# KiCad board nodular-base.kicad_pcb (continued)
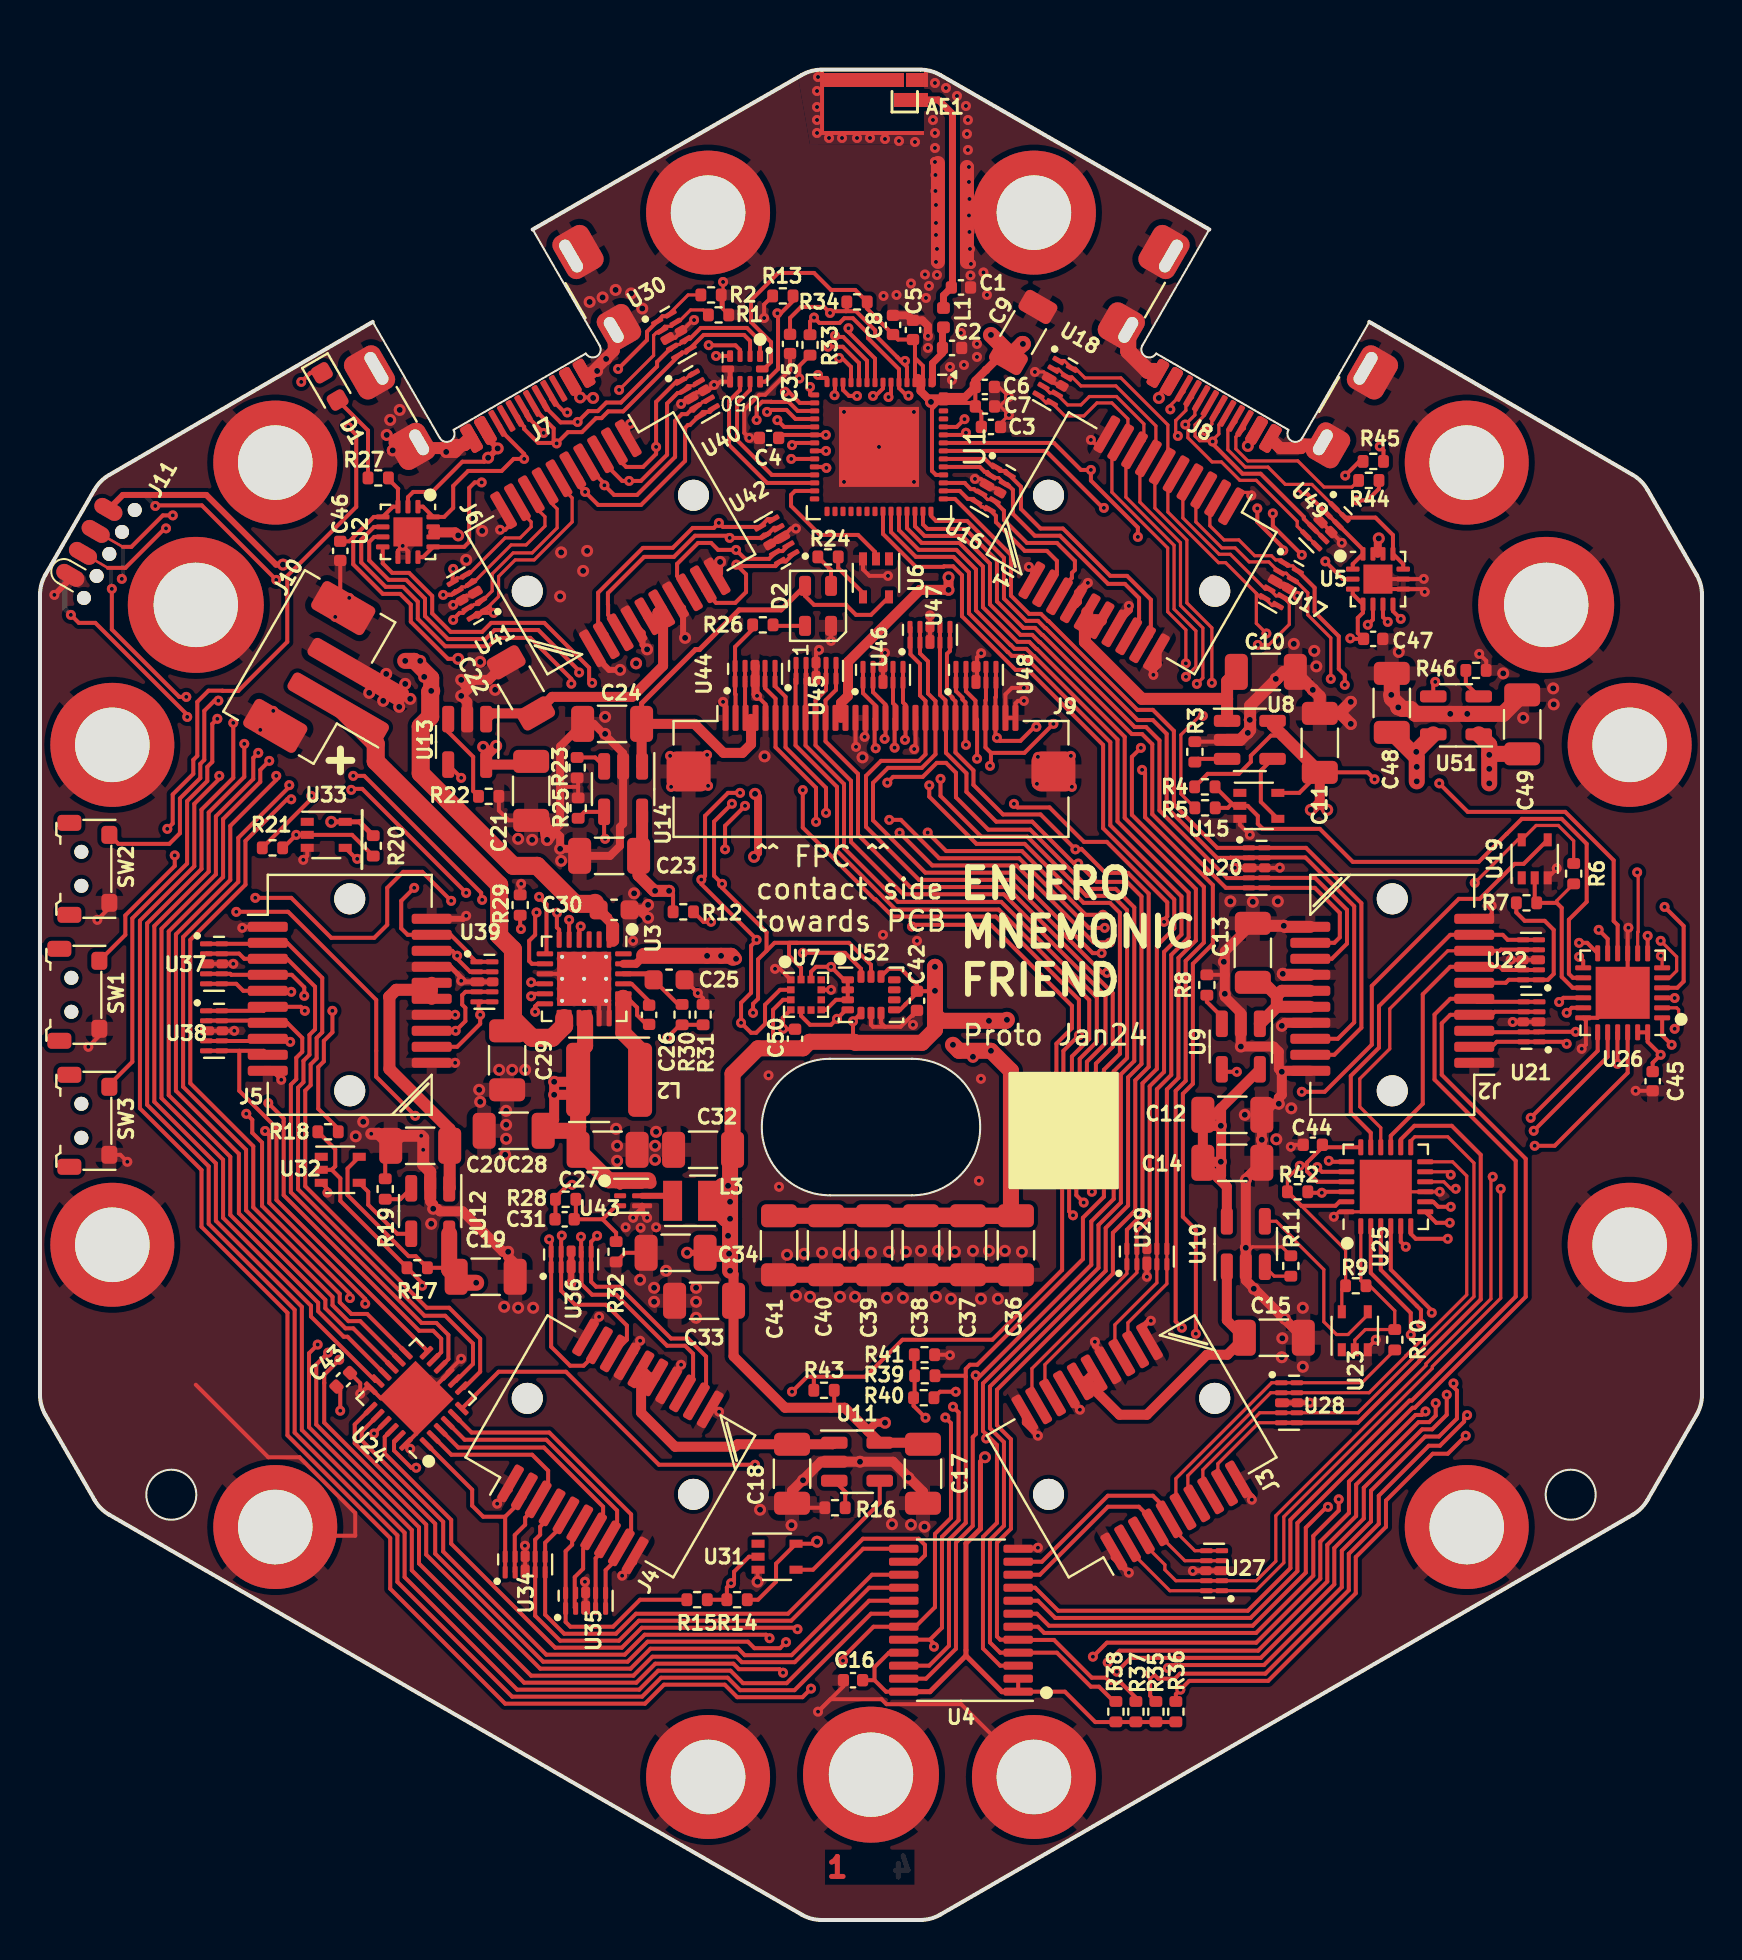
[diagram p0: board, top side]
## Footprints (pads in the part's own frame, mm; a bottom-side part is the same pattern mirrored in y, then rotated) (continued)
sidebutton-1TS003B-1400-3500A-CT
  rrect 0.8x1.2 smd: (-2.3,0.6) (2.3,0.6)
  round 0.7 hole 0.7 unplated: (-0.85,0) (0.85,0)
  rrect 0.9x0.8 smd: 1(-1.7,-1.4) 2(1.7,-1.4)
SMTSO2030CTJ
  oval 1.235x2.2 smd rot 150: (-2.1,1.212) (2.1,-1.212)
  oval 1.235x2.2 smd rot 30: (-2.1,-1.212) (2.1,1.212)
  oval 2.2x1.235 smd: (0,2.425) (0,-2.425)
  round 3.75 smd: (0,0)
  round 6.2 hole 3.73: 1(0,0)
SMTSO3030CTJ
  oval 1.4x2.5 smd rot 150: (-2.317,1.337) (2.317,-1.337)
  oval 1.4x2.5 smd rot 30: (-2.317,-1.337) (2.317,1.337)
  oval 2.5x1.4 smd: (0,2.675) (0,-2.675)
  round 3.75 smd: (0,0)
  round 6.8 hole 4.22: 1(0,0)
SOIC_clipProgSmall
  round 0.7 hole 0.7 unplated: (-2.54,1.905) (-1.27,1.905) (0,1.905) (1.27,1.905) (2.54,1.905)
  oval 0.8x1.5 smd: 1(1.905,0.75) 2(0.635,0.75) 3(-0.635,0.75) 4(-1.905,0.75)
  oval 0.8x1.5 smd far side: 5(-1.905,0.75) 6(-0.635,0.75) 7(0.635,0.75) 8(1.905,0.75)
SOT-23-5
  rrect 1.325x0.6 smd: 1(-1.137,0.95) 2(-1.137,0) 3(-1.137,-0.95) 4(1.137,-0.95) 5(1.137,0.95)
SOT-353_SC-70-5
  rect 0.65x0.4 smd: 1(-0.95,0.65) 2(-0.95,0) 3(-0.95,-0.65) 4(0.95,-0.65) 5(0.95,0.65)
Texas_PUQFN-10_RSE_1.5x2mm
  rrect 0.3x0.58 smd: 1(-0.75,-0.64) 4(0.75,-0.64) 6(0.75,0.64) 9(-0.75,0.64)
  rrect 0.25x0.58 smd: 2(-0.25,-0.64) 3(0.25,-0.64) 7(0.25,0.64) 8(-0.25,0.64)
  rrect 0.63x0.35 smd: 5(0.86,0) 10(-0.86,0)
Texas_S-PWQFN-N24_EP2.7x2.7mm_ThermalVias
  rrect 1.13x1.13 smd: (-0.675,0.675) (-0.675,-0.675) (0.675,0.675) (0.675,-0.675)
  rrect 0.825x0.25 smd: 1(-1.962,1.25) 2(-1.962,0.75) 3(-1.962,0.25) 4(-1.962,-0.25) 5(-1.962,-0.75) 6(-1.962,-1.25) 13(1.962,-1.25) 14(1.962,-0.75) 15(1.962,-0.25) 16(1.962,0.25) 17(1.962,0.75) 18(1.962,1.25)
  rrect 0.25x0.825 smd: 7(-1.25,-1.962) 8(-0.75,-1.962) 9(-0.25,-1.962) 10(0.25,-1.962) 11(0.75,-1.962) 12(1.25,-1.962) 19(1.25,1.962) 20(0.75,1.962) 21(0.25,1.962) 22(-0.25,1.962) 23(-0.75,1.962) 24(-1.25,1.962)
  round 0.5 hole 0.2: 25(-1.1,1.1) 25(-1.1,0) 25(-1.1,-1.1) 25(0,1.1) 25(0,0) 25(0,-1.1) 25(1.1,1.1) 25(1.1,0) 25(1.1,-1.1)
  rect 2.7x2.7 smd: 25(0,0)
  rect 2.7x2.7 smd far side: 25(0,0)
Texas_VSON-HR-6_1.5x1.5mm_P0.5mm
  rrect 0.6x0.25 smd: 1(-0.65,0.5) 2(-0.65,0) 3(-0.65,-0.5)
  rrect 1x0.25 smd: 4(0.45,-0.5) 5(0.45,0) 6(0.45,0.5)
TSSOP-24_4.4x7.8mm_P0.65mm
  rrect 1.475x0.4 smd: 1(-2.862,3.575) 2(-2.862,2.925) 3(-2.862,2.275) 4(-2.862,1.625) 5(-2.862,0.975) 6(-2.862,0.325) 7(-2.862,-0.325) 8(-2.862,-0.975) 9(-2.862,-1.625) 10(-2.862,-2.275) 11(-2.862,-2.925) 12(-2.862,-3.575) 13(2.862,-3.575) 14(2.862,-2.925) 15(2.862,-2.275) 16(2.862,-1.625) 17(2.862,-0.975) 18(2.862,-0.325) 19(2.862,0.325) 20(2.862,0.975) 21(2.862,1.625) 22(2.862,2.275) 23(2.862,2.925) 24(2.862,3.575)
USB_C_Receptacle_SHOUHAN_TYPE-C_16P_CB1.6_073
  oval 1.2x2.4 smd: (-5.63,-1.14) (5.62,-1.14)
  oval 1.2x2 smd: (-5.62,3.13) (5.62,3.13)
  rrect 0.6x1.45 smd: A1(-3.25,4.27) A4(-2.45,4.27) A9(2.45,4.27) A12(3.25,4.27) B1(3.25,4.27) B4(2.45,4.27) B9(-2.45,4.27) B12(-3.25,4.27)
  rrect 0.3x1.45 smd: A5(-1.25,4.27) A6(-0.25,4.27) A7(0.25,4.27) A8(1.25,4.27) B5(1.75,4.27) B6(0.75,4.27) B7(-0.75,4.27) B8(-1.75,4.27)
  rrect 1.8x2 hole 0.6x1.4: S1(-5.62,3.13)
  rrect 2x2.4 hole 0.6x1.8: S1(-5.62,-1.14) S1(5.62,-1.14)
  rrect 2x2 hole 0.6x1.4: S1(5.62,3.13)
USB_C_Receptacle_SHOUHAN_TYPE-C_16P_CB1.6_073#2
  oval 1.2x2.4 smd: (-5.63,-1.14) (5.62,-1.14)
  oval 1.2x2 smd: (-5.62,3.13) (5.62,3.13)
  rrect 0.6x1.45 smd: A1(-3.25,4.27) A4(-2.45,4.27) A9(2.45,4.27) A12(3.25,4.27) B1(3.25,4.27) B4(2.45,4.27) B9(-2.45,4.27) B12(-3.25,4.27)
  rrect 0.3x1.45 smd: A5(-1.25,4.27) A6(-0.25,4.27) A7(0.25,4.27) A8(1.25,4.27) B5(1.75,4.27) B6(0.75,4.27) B7(-0.75,4.27) B8(-1.75,4.27)
  rrect 1.8x2 hole 0.6x1.4: S1(-5.62,3.13)
  rrect 2x2.4 hole 0.6x1.8: S1(-5.62,-1.14) S1(5.62,-1.14)
  rrect 2x2 hole 0.6x1.4: S1(5.62,3.13)
WQFN-14-1EP_2.5x2.5mm_P0.5mm_EP1.45x1.45mm
  rrect 0.58x0.58 smd: (-0.36,0.36) (-0.36,-0.36) (0.36,0.36) (0.36,-0.36)
  rrect 0.675x0.25 smd: 1(-1.262,0.5) 2(-1.262,0) 3(-1.262,-0.5) 8(1.262,-0.5) 9(1.262,0) 10(1.262,0.5)
  rrect 0.25x0.675 smd: 4(-0.75,-1.262) 5(-0.25,-1.262) 6(0.25,-1.262) 7(0.75,-1.262) 11(0.75,1.262) 12(0.25,1.262) 13(-0.25,1.262) 14(-0.75,1.262)
  rect 1.45x1.45 smd: 15(0,0)

## Nets
3V3_SYS: C3.1 C4.1 C5.1 C6.1 C7.1 C8.1 C9.1 C11.1 C12.1 C14.1 C16.1 C17.1 C19.1 C21.1 C31.1 C32.1 C33.1 C34.1 C42.1 C43.1 C44.1 C45.1 C46.1 C47.1 C50.1 J9.12 J9.13 L3.2 R4.1 R6.1 R9.1 R14.1 R17.1 R20.1 R27.2 R28.2 R33.1 R34.1 R35.1 R36.1 R37.1 R38.1 R42.1 R43.1 U1.2 U1.3 U1.20 U1.46 U1.55 U1.56 U2.3 U2.4 U4.1 U4.2 U4.21 U4.24 U5.3 U5.4 U7.3 U7.7 U7.11 U8.5 U9.5 U10.5 U11.5 U12.5 U13.5 U15.5 U19.5 U23.5 U24.21 U24.23 U25.18 U25.21 U25.23 U26.21 U26.23 U26.24 U31.5 U32.5 U33.5 U50.10 U52.1 U52.2 U52.3 U52.5 U52.8 U52.12
/VBUS: C30.1 J7.A4 J7.A9 J7.B4 J7.B9 J11.4 U2.2 U3.1
/VBUS_SW: U26.10 U51.4
GND: AE1.2 C1.2 C2.2 C3.2 C4.2 C5.2 C6.2 C7.2 C8.2 C9.2 C10.2 C11.2 C12.2 C13.2 C14.2 C15.2 C16.2 C17.2 C18.2 C19.2 C20.2 C21.2 C22.2 C23.2 C24.2 C25.2 C27.2 C28.2 C29.2 C30.2 C32.2 C33.2 C34.2 C35.2 C36.2 C37.2 C38.2 C39.2 C40.2 C41.2 C42.2 C43.2 C44.2 C45.2 C46.2 C47.2 C48.2 C49.2 C50.2 D2.2 H1.1 H2.1 H3.1 H4.1 H5.1 H6.1 H7.1 H8.1 H9.1 H10.1 H11.1 H12.1 H14.1 H16.1 H18.1 J1.1 J1.10 J1.11 J1.14 J1.17 J1.20 J2.1 J2.10 J2.11 J2.14 J2.17 J2.20 J3.1 J3.10 J3.11 J3.14 J3.17 J3.20 J4.1 J4.10 J4.11 J4.14 J4.17 J4.20 J5.1 J5.10 J5.11 J5.14 J5.17 J5.20 J6.1 J6.10 J6.11 J6.14 J6.17 J6.20 J7.A1 J7.A12 J7.B1 J7.B12 J7.S1 J8.A1 J8.A12 J8.B1 J8.B12 J8.S1 J9.1 J9.5 J9.14 J9.15 J9.20 J9.29 J9.30 J9.MP J10.2 J10.MP J11.1 R1.2 R2.2 R3.2 R8.2 R11.2 R13.1 R16.2 R19.2 R22.2 R23.2 R25.2 R29.2 R31.1 R32.1 R41.1 R46.2 SW1.1 SW2.1 SW3.1 U1.57 U2.8 U2.9 U2.15 U3.9 U3.17 U3.18 U3.25 U4.12 U5.8 U5.9 U5.15 U6.3 U7.1 U7.4 U7.9 U8.2 U9.2 U10.2 U11.2 U12.2 U13.2 U14.2 U15.3 U16.3 U16.8 U17.3 U17.8 U18.3 U18.8 U19.3 U20.3 U20.8 U21.3 U21.8 U22.3 U22.8 U23.3 U24.9 U24.18 U24.24 U24.25 U25.9 U25.24 U25.25 U26.9 U26.18 U26.25 U27.3 U27.8 U28.3 U28.8 U29.3 U29.8 U30.3 U30.8 U31.3 U32.3 U33.3 U34.3 U34.8 U35.3 U35.8 U36.3 U36.8 U37.3 U37.8 U38.3 U38.8 U39.3 U39.8 U40.3 U40.8 U41.3 U41.8 U42.3 U42.8 U43.4 U44.3 U44.8 U45.3 U45.8 U46.3 U46.8 U47.3 U47.8 U48.3 U48.8 U49.3 U49.8 U50.5 U50.6 U51.2 U52.6 U52.7
/bot-top-link/LED_DATA_TOP: J9.2 R26.2 U44.1 U44.10
/bot-top-link/TOP_VBAT_SW: C24.1 D2.4 J9.3 J9.4 U6.5 U14.1 U44.2 U44.9
/DEV_USB+: J7.A6 J7.B6 J11.2 U30.5 U30.6 U50.2
/DEV_USB-: J7.A7 J7.B7 J11.3 U30.4 U30.7 U50.1
/ESP_RXD: J9.28 J11.7 R44.1 U1.50 U48.5 U48.6
/ESP_TXD: J9.27 J11.8 R45.1 U1.49 U48.4 U48.7
/GPIO/ALS1: J1.2 U17.1 U17.10 U26.8
/GPIO/ALS2: J1.3 U17.2 U17.9 U26.1
/GPIO/ALS3: J1.7 U18.2 U18.9 U26.2
/GPIO/ALS4: J1.8 U18.4 U18.7 U26.3
/GPIO/ALS5: J1.9 U18.5 U18.6 U26.4
/GPIO/BLS1: J2.2 U21.1 U21.10 U26.5
/GPIO/BLS2: J2.3 U21.2 U21.9 U26.6
/GPIO/BLS3: J2.7 U22.2 U22.9 U25.15
/GPIO/BLS4: J2.8 U22.4 U22.7 U25.16
/GPIO/BLS5: J2.9 U22.5 U22.6 U25.17
/GPIO/BTN1: J9.6 U26.12 U44.4 U44.7
/GPIO/BTN2: J9.7 U26.13 U44.5 U44.6
/GPIO/BTN3: J9.8 U25.5 U45.1 U45.10
/GPIO/BTN4: J9.9 U25.6 U45.2 U45.9
/GPIO/BTN5: J9.10 U25.7 U45.4 U45.7
/GPIO/BTN6: J9.11 U25.8 U45.5 U45.6
/GPIO/CLS1: J3.2 U25.10 U27.1 U27.10
/GPIO/CLS2: J3.3 U25.11 U27.2 U27.9
/GPIO/CLS3: J3.7 U25.12 U28.2 U28.9
/GPIO/CLS4: J3.8 U25.13 U28.4 U28.7
/GPIO/CLS5: J3.9 U25.14 U28.5 U28.6
/GPIO/DET_A: R4.2 R5.1 U15.2 U26.14
/GPIO/DET_B: R6.2 R7.1 U19.2 U26.15
/GPIO/DET_C: R9.2 R10.1 U23.2 U25.1
/GPIO/DET_D: R14.2 R15.1 U25.2 U31.2
/GPIO/DET_E: R17.2 R18.1 U25.3 U32.2
/GPIO/DET_F: R20.2 R21.1 U25.4 U33.2
/GPIO/DLS1: J4.2 U24.1 U34.1 U34.10
/GPIO/DLS2: J4.3 U24.2 U34.2 U34.9
/GPIO/DLS3: J4.7 U24.3 U35.2 U35.9
/GPIO/DLS4: J4.8 U24.4 U35.4 U35.7
/GPIO/DLS5: J4.9 U24.5 U35.5 U35.6
/GPIO/ELS1: J5.2 U24.7 U37.1 U37.10
/GPIO/ELS2: J5.3 U24.8 U37.2 U37.9
/GPIO/ELS3: J5.7 U24.10 U38.2 U38.9
/GPIO/ELS4: J5.8 U24.11 U38.4 U38.7
/GPIO/ELS5: J5.9 U24.12 U38.5 U38.6
/GPIO/FLS1: J6.2 U24.13 U40.1 U40.10
/GPIO/FLS2: J6.3 U24.14 U40.2 U40.9
/GPIO/FLS3: J6.7 U24.15 U41.2 U41.9
/GPIO/FLS4: J6.8 U24.16 U41.4 U41.7
/GPIO/FLS5: J6.9 U24.17 U41.5 U41.6
/GPIO/LED_PWR_EN: R25.1 U14.4 U26.7
/GPIO/TLS1: J9.21 U26.17 U47.1 U47.10
/GPIO/TLS2: J9.22 U26.16 U47.2 U47.9
/I2C/SCL_A: J1.5 U4.7 U17.5 U17.6
/I2C/SCL_B: J2.5 U4.9 U21.5 U21.6
/I2C/SCL_C: J3.5 U4.11 U27.5 U27.6
/I2C/SCL_D: J4.5 U4.14 U34.5 U34.6
/I2C/SCL_E: J5.5 U4.16 U37.5 U37.6
/I2C/SCL_F: J6.5 U4.18 U40.5 U40.6
/I2C/SDA_A: J1.4 U4.6 U17.4 U17.7
/I2C/SDA_B: J2.4 U4.8 U21.4 U21.7
/I2C/SDA_C: J3.4 U4.10 U27.4 U27.7
/I2C/SDA_D: J4.4 U4.13 U34.4 U34.7
/I2C/SDA_E: J5.4 U4.15 U37.4 U37.7
/I2C/SDA_F: J6.4 U4.17 U40.4 U40.7
/I2C_RESET: R39.1 R40.1 R41.2 U1.14 U4.3
/INT_ACCEL: R43.2 U7.5 U24.6 U52.4
/LED_DATA: U1.27 U6.2
/NA_HS1: J1.12 U1.44 U16.5 U16.6
/NA_HS2: J1.13 U1.45 U16.4 U16.7
/NA_HS3: J1.18 U1.47 U16.2 U16.9
/NA_HS4: J1.19 U1.48 U16.1 U16.10
/NB_HS1: J2.12 U1.40 U20.5 U20.6
/NB_HS2: J2.13 U1.41 U20.4 U20.7
/NB_HS3: J2.18 U1.42 U20.2 U20.9
/NB_HS4: J2.19 U1.43 U20.1 U20.10
/NC_HS1: J3.12 U1.39 U29.5 U29.6
/NC_HS2: J3.13 U1.38 U29.4 U29.7
/NC_HS3: J3.18 U1.37 U29.2 U29.9
/NC_HS4: J3.19 U1.36 U29.1 U29.10
/ND_HS1: J4.12 U1.16 U36.5 U36.6
/ND_HS2: J4.13 U1.19 U36.4 U36.7
/ND_HS3: J4.18 U1.18 U36.2 U36.9
/ND_HS4: J4.19 U1.17 U36.1 U36.10
/NE_HS1: J5.12 U1.24 U39.5 U39.6
/NE_HS2: J5.13 U1.22 U39.4 U39.7
/NE_HS3: J5.18 U1.21 U39.2 U39.9
/NE_HS4: J5.19 U1.23 U39.1 U39.10
/NF_HS1: J6.12 U1.8 U42.5 U42.6
/NF_HS2: J6.13 U1.9 U42.4 U42.7
/NF_HS3: J6.18 U1.10 U42.2 U42.9
/NF_HS4: J6.19 U1.11 U42.1 U42.10
/SCL_HOST: R39.2 U1.52 U4.22
/SCL_SYS: R35.2 U2.6 U3.5 U4.20 U7.12 U24.19 U25.19 U26.19 U52.13
/SCL_TOP: J9.24 R37.2 U4.5 U5.6 U47.5 U47.6
/SDA_HOST: R40.2 U1.51 U4.23
/SDA_SYS: R36.2 U2.7 U3.6 U4.19 U7.2 U24.20 U25.20 U26.20 U52.14
/SDA_TOP: J9.23 R38.2 U4.4 U5.7 U47.4 U47.7
/SFPs/A_LSEN: U8.4 U15.4
/SFPs/A_NDET: J1.6 R5.2 U18.1 U18.10
/SFPs/B_LSEN: U9.4 U19.4
/SFPs/B_NDET: J2.6 R7.2 U22.1 U22.10
/SFPs/C_LSEN: U10.4 U23.4
/SFPs/C_NDET: J3.6 R10.2 U28.1 U28.10
/SFPs/D_LSEN: U11.4 U31.4
/SFPs/D_NDET: J4.6 R15.2 U35.1 U35.10
/SFPs/E_LSEN: U12.4 U32.4
/SFPs/E_NDET: J5.6 R18.2 U38.1 U38.10
/SFPs/F_LSEN: U13.4 U33.4
/SFPs/F_NDET: J6.6 R21.2 U41.1 U41.10
/SFPs/PORTA_3V3: C10.1 J1.15 J1.16 U8.1
/SFPs/PORTB_3V3: C13.1 J2.15 J2.16 U9.1
/SFPs/PORTC_3V3: C15.1 J3.15 J3.16 U10.1
/SFPs/PORTD_3V3: C18.1 J4.15 J4.16 U11.1
/SFPs/PORTE_3V3: C20.1 J5.15 J5.16 U12.1
/SFPs/PORTF_3V3: C22.1 J6.15 J6.16 U13.1
/TOP_HS1: J9.16 U1.13 U46.1 U46.10
/TOP_HS2: J9.17 U1.12 U46.2 U46.9
/TOP_HS3: J9.18 U1.7 U46.4 U46.7
/TOP_HS4: J9.19 U1.6 U46.5 U46.6
/USB+: U1.26 U50.7
/USB-: U1.25 U50.8
/USB/BAT+: C29.1 J10.1 U3.13 U3.14
/USB/CC1: J7.A5 R1.1 U2.10 U2.11 U30.2 U30.9
/USB/CC2: J7.B5 R2.1 U2.1 U2.14 U30.1 U30.10
/USB/HOST_D+: J8.A6 J8.B6 U49.5 U49.6 U50.4
/USB/HOST_D-: J8.A7 J8.B7 U49.4 U49.7 U50.3
/USB/PMIC_OTG: R12.1 U3.8
/USB/PMID: C36.1 C37.1 C38.1 C39.1 C40.1 C41.1 C48.1 U2.12 U2.13 U3.23 U5.12 U5.13 U51.5
/USB/PMID_SW: C49.1 J8.A4 J8.A9 J8.B4 J8.B9 U5.2 U51.1
/USB/RX: J8.B8 R44.2
/USB/STAT: D1.1 U3.4
/USB/TX: J8.A8 R45.2
/USBSEL: R13.2 U26.11 U50.9
/VSYS: C23.1 C27.1 C28.1 L2.2 R12.2 U3.15 U3.16 U14.5 U43.1 U43.6
/~{BOOTLOADER}: J9.25 J11.6 R33.2 SW3.2 U1.5 U48.1 U48.10
/~{ESPRESET}: C35.1 J9.26 J11.5 R34.2 SW2.2 U1.4 U48.2 U48.9
/~{INT_SYS}: R42.2 U1.15 U2.5 U3.7 U5.5 U24.22 U25.22 U26.22
/~{QON}: SW1.2 U3.12
Net-(AE1-FEED): AE1.1 C1.1 L1.1
Net-(C26-Pad1): C26.1 L2.1 U3.19 U3.20
Net-(D1-A): D1.2 R27.1
Net-(D2-DIN): D2.3 R24.2
Net-(D2-DOUT): D2.1 R26.1
Net-(J8-CC1): J8.A5 U5.10 U5.11 U49.1 U49.10
Net-(J8-CC2): J8.B5 U5.1 U5.14 U49.2 U49.9
Net-(R24-Pad1): R24.1 U6.4
Net-(U1-LNA_IN): C2.1 L1.2 U1.1
Net-(U3-BTST): C26.2 U3.21
Net-(U3-ILIM): R29.1 U3.10
Net-(U3-REGN): C25.1 R30.2 U3.22
Net-(U3-TS): R30.1 R31.2 U3.11
Net-(U8-SET): R3.1 U8.3
Net-(U9-SET): R8.1 U9.3
Net-(U10-SET): R11.1 U10.3
Net-(U11-SET): R16.1 U11.3
Net-(U12-SET): R19.1 U12.3
Net-(U13-SET): R22.1 U13.3
Net-(U14-SET): R23.1 U14.3
Net-(U43-FB): C31.2 R28.1 R32.2 U43.3
Net-(U43-SW): L3.1 U43.5
Net-(U51-SET): R46.1 U51.3

Pads without a net: J7 A8 B8; U1 28 29 30 31 32 33 34 35 53 54; U3 2 3 24; U6 1; U7 6 8 10; U15 1; U19 1; U23 1; U31 1; U32 1; U33 1; U43 2; U52 9 10 11

## Via types
v1: diameter 0.5, hole 0.2, Top to Bottom, 462 vias
v2: diameter 0.6, hole 0.3, Top to Bottom, 209 vias

## Routing (per net, layer and track width the routed paths; a pad name or vN(x,y) marks a point on that pad's centre or on a via; arc(x,y) is an arc through that point)
3V3_SYS: length 515.9
  Top w0.16: v1(63.02,37.72) 62.4,37.1 R42.1 65.31,33.51 R9.1 65.12,31.53 U23.5 ; R6.1 76.72,53.97 75.95,54.74 74.84,54.74 U19.5 73.92,54.02 v1(71.77,51.87)
  Top w0.2: U7.3 37.17,46.02 36.67,45.52 36.67,43.59 ; R33.1 37.98,77.72 v1(37.98,77.09) ; C42.1 44.75,46.45 v2(44.77,46.47) 44.77,45.27 44.76,45.26 ; C42.1 43.87,46.37 43.29,45.79 43.29,45.79 43.02,45.52 U52.8 ; C42.1 43.87,46.77 43.07,47.57 42.46,47.57 U52.12 ; C31.1 25.78,35.06 25.78,36.13 26.42,36.77 v1(26.62,36.77) ; 45.42,75.87 46.61,75.87 C7.1 ; 45.42,75.87 45.42,76.27 46.38,76.27 46.78,76.67 46.79,76.66 C7.1 ; 45.42,75.87 44.92,75.87 ; 15.67,69.14 16.7,70.17 U2.4 17.66,70.68 U2.3 17.91,71.56 17.92,71.57 17.43,72.06 R27.2 ; 15.67,69.14 15.67,67.8 17.15,66.32 18.02,66.32 18.55,65.78 18.55,64.93 20.41,63.07 v2(20.92,63.07) ; 15.67,69.14 15.48,68.95 C46.1 ; 62.18,59.23 61.57,59.23 60.57,58.23 60.57,57.92 59.97,57.32 58.41,57.32 R4.1 ; U4.2 U4.1 51.27,11.42 52.79,9.9 56.81,9.9 R36.1 ; C7.1 47.09,75.39 C3.1 ; 44.17,77.12 43.77,77.12 43.77,78.12 ; 44.17,77.12 44.17,76.22 44.52,75.87 44.92,75.87 ; 44.17,77.12 44.17,77.72 43.77,78.12 ; U5.3 65.67,66.31 U5.4 66.18,65.38 65.92,65.12 65.92,64.36 C47.1 65.57,64.07 v1(65.54,64.09) ; C45.1 80.67,42.87 v1(81.07,43.27) 80.42,43.92 U26.24 U26.23 ; U4.24 42.32,11.42 41.74,11.99 ; 44.92,75.87 44.92,75.87 44.62,75.57 44.62,72.47 44.82,72.27 U1.46 ; U4.21 42.47,13.37 41.74,12.64 41.74,11.99 ; 43.77,78.12 43.77,78.94 C5.1 42.92,79.04 C8.1 41.38,80.58 R34.1 40.78,81.52 39.57,81.52 38.72,82.37 36.93,82.37 35.57,81.01 35.57,79.91 36.57,78.91 36.57,77.92 36.22,77.57 U50.10 ; v1(15.02,25.47) 15.02,26.49 C43.1 ; v1(66.76,57.04) 66.41,57.39 C11.1 62.99,56.37 U15.5 ; C19.1 20.37,32.62 R17.1 18.8,33.2 18.44,33.2 15.38,36.25 15.38,37.58 U32.5 ; 40.67,44.02 v1(40.67,44.94) 40.67,44.96 U52.5 ; R43.1 39.73,25.78 39.57,25.62 ; U26.21 78.91,44.38 v1(78.91,42.82) ; 63.38,37.77 63.38,37.44 63.9,36.92 U25.21 ; 63.38,37.77 63.07,37.77 v1(63.02,37.72) ; 63.38,37.77 63.38,37.88 64.14,38.64 U25.18 ; U7.11 38.57,47.42 38.82,47.67 v1(39.57,47.67) 40.22,47.02 U52.1 U52.3 39.82,46.02 39.32,45.52 U7.7 ; R42.1 63.1,35.72 64.8,35.72 65,35.92 U25.23 ; C4.1 37.1,74.27 v1(39.31,74.27) ; 40.77,43.87 40.82,43.87 ; 41.74,11.99 C16.1 ; R14.1 35.92,16.02 36.82,16.92 36.82,17.82 U31.5 38.77,18.82 v2(38.87,18.92) ; J9.13 J9.12 ; U24.23 17.71,23.92 17.71,23.48 18.57,22.62 v1(18.82,22.62) ; v1(16.71,24.33) U24.21
  Top w0.25: 46.32,13.22 46.32,18.84 47.04,19.56 47.04,22.92 v2(47.27,23.14) ; 46.32,13.22 44.52,11.42 U4.24 ; 46.32,13.22 48.12,11.42 U4.1 ; R20.1 15.98,54.92 U33.5 v2(14.57,54.92)
  Top w0.3: C34.1 v2(32.37,33.37)
  Top w0.4: 43.92,77.12 44.04,76.99 44.04,76.47 44.42,76.09 46.21,76.09 46.78,76.67 46.78,76.98 47.32,77.51 47.32,77.52 47.32,77.52 47.92,78.11 C9.1 ; v2(42.27,24.87) 41.82,24.87 41.41,24.46
  Top w0.5: U13.5 24.41,57.78 C21.1 ; U13.5 22.32,58.22 v2(22.82,58.72) ; U13.5 22.32,58.52 v2(22.17,58.67) ; 59.08,40.61 58.74,40.27 C12.1 ; 59.08,40.61 61.02,42.54 ; 59.08,40.61 59.08,39.73 v2(59.07,39.72) ; v2(59.07,39.72) 58.72,39.72 C12.1 ; v2(59.07,39.72) 59.08,39.71 59.08,37.93 v2(59.07,37.92) ; C11.1 64.02,55.89 ; 64.02,55.89 63.65,55.52 v2(63.57,55.52) ; 64.02,55.89 v2(64.39,55.52) ; v2(59.07,37.92) 59.08,37.91 59.08,37.23 58.94,37.09 ; v2(59.07,37.92) 58.22,37.92 C14.1 ; C14.1 58.94,37.09 ; C14.1 C12.1 ; v2(45.45,67.15) 45.45,66.52 v2(45.45,66.52) 44.02,66.52 40.42,62.92 40.42,61.22 40.07,60.87 40.07,60.12 ; U10.5 59.37,36.67 58.94,37.09 ; v2(34.52,32.47) 34.69,32.29 C33.1 34.69,28.19 37.27,25.62 40.26,25.62 U11.5 44.09,23.87 C17.1
  Top w0.6: C11.1 61.66,59.76 U8.5
  Top w0.8: v2(47.57,79.27) 48.44,78.39 C9.1 49.15,78.82 v2(49.17,78.82) ; 40.82,43.87 44.12,43.87 44.77,44.52 v2(44.77,46.47) v2(44.77,47.67) 44.77,45.27 45.07,44.97 v2(47.47,44.97) 48.32,44.97 v2(48.37,45.02) ; v2(34.47,33.32) 33.32,33.32 C34.1 ; 40.77,43.87 40.72,43.92 38.49,43.92 38.17,43.59 35.92,43.59 34.64,42.32 34.64,38.52 34.52,38.39 v2(34.52,32.47) ; L3.2 34.14,36.72 v2(34.42,36.72) ; L3.2 33.44,35.92 v2(34.52,35.92) ; L3.2 34.29,35.07 v2(34.52,35.07) ; v2(21.82,31.87) 21.12,31.87 C19.1 20.47,32.52 U12.5
  In2.Cu w0.16: v1(71.77,51.87) 71.04,52.6 66.34,52.6 64.42,54.52 64.42,55.07 64.39,55.1 v2(64.39,55.52) 64.34,55.47 64.02,55.47
  In2.Cu w0.2: v1(65.54,64.09) 66.12,63.52 66.12,58.29 66.61,57.8 66.61,57.19 v1(66.76,57.04) ; v2(59.07,39.72) 60.5,39.72 60.7,39.92 71.02,39.92 73.92,42.82 v1(78.91,42.82) 79.36,43.27 v1(81.07,43.27) ; v2(44.77,46.47) 42.17,46.47 40.67,44.97 v1(40.67,44.94) 40.67,46.57 v1(39.57,47.67) ; v2(59.07,37.92) 59.27,37.72 v1(63.02,37.72) ; v1(16.71,24.33) 15.57,25.47 v1(15.02,25.47) ; v1(16.71,24.33) 16.78,24.33 20.56,28.11 20.56,30.61 v2(21.82,31.87) ; v1(16.71,24.33) 18.42,22.62 v1(18.82,22.62) ; v1(26.62,36.77) 28.47,34.92 28.47,33.37 28.42,33.37 28.37,33.42
  In2.Cu w0.25: v2(14.57,54.92) 15.66,54.92 15.71,54.97 ; v2(20.92,63.07) 22.07,61.92 22.07,58.77 v2(22.17,58.67) ; 42.27,23.17 42.29,23.14 v2(47.27,23.14) ; v2(44.57,75.92) 44.57,77.47 43.52,78.52 42.67,78.52 41.57,77.42 39.82,77.42 39.43,77.8 38.7,77.8 v1(37.98,77.09) 37.98,76.45 38.12,76.31 38.12,75.46 v1(39.31,74.27)
  In2.Cu w0.4: v2(42.27,24.87) 42.27,22.32 v2(38.87,18.92)
  In2.Cu w0.5: 48.42,63.67 48.42,65.67 47.57,66.52 45.45,66.52 ; 45.45,66.52 v2(45.45,67.15) 45.45,66.52 ; 45.45,66.52 v2(45.45,66.52)
  In2.Cu w0.8: v2(34.47,33.32) 34.47,34.17 v2(34.42,34.22) 34.47,34.27 34.47,35.02 v2(34.52,35.07) 34.47,35.12 34.47,35.87 v2(34.52,35.92) 34.47,35.97 34.47,36.47 34.42,36.52 ; v2(34.47,33.32) 32.42,33.32 v2(32.37,33.37) 26.95,33.37 26.05,32.47 23.07,32.47 22.82,32.72 22.67,32.72 ; v2(34.47,33.32) 34.47,32.52 v2(34.52,32.47) ; 22.67,32.72 v2(21.82,31.87) ; 22.67,32.72 20.27,32.72 13.57,39.42 13.57,43.04 15.52,44.99 15.52,47.62 13.77,49.37 13.77,52.47 15.71,54.41 15.71,55.41 19.07,58.77 v2(22.17,58.67) v2(22.82,58.72) 22.77,58.77 ; 47.24,76.89 47.24,75.82 47.14,75.92 v2(44.57,75.92) ; 47.24,76.89 47.24,75.35 47.72,74.87 47.72,66.37 48.47,65.62 48.42,65.57 48.42,63.67 48.14,63.39 48.14,60.81 48.67,60.29 48.67,57.2 45.74,54.27 45.69,54.27 44.77,53.34 v2(44.77,46.47) v2(44.77,47.67) ; 47.24,76.89 48.04,77.69 ; 48.04,77.69 v2(49.17,78.82) ; 48.04,77.69 48.04,78.79 v2(47.57,79.27) ; v2(59.07,37.92) 59.07,38.32 58.37,39.02 ; v2(47.47,44.97) 49.02,44.97 52.07,41.92 ; 62.97,55.47 63.52,55.47 v2(63.57,55.52) 63.62,55.47 64.02,55.47 ; 58.37,39.02 v2(59.07,39.72) ; 58.37,39.02 53.87,39.02 52.07,40.82 52.07,41.92 ; 52.07,41.92 53.32,43.17 53.32,45.82 51.99,47.14 51.99,50.99 54.02,53.02 57.97,53.02 60.42,55.47 62.87,55.47 ; 34.42,36.52 34.22,36.72 v2(34.42,36.72) 34.42,36.52
/VBUS: length 75.8
  Top w0.2: v2(22.89,73.59) 22.23,72.93 21.13,72.93 19.62,71.42 18.67,71.42 18.41,71.16 U2.2 ; v2(27.67,76.12) 27.64,76.14 v2(27.02,76.14) 26.53,76.64 J7.A4
  Top w0.3: J11.4 4.14,71.27 8.32,71.27 11.81,67.78 v2(12.16,67.78) ; J7.A9 22.28,74.2 v2(22.89,73.59) 22.43,73.13 v2(22.42,73.13) ; U3.1 28.47,50.17 27.77,50.87
  Top w0.5: C30.1 27.94,50.49 28.72,49.72 28.72,48.97 28.67,48.92
  Top w0.8: v2(18.27,62.97) 18.72,62.97 19.57,62.12 v2(19.57,61.47)
  Top w0.9: 27.77,50.87 27.72,50.82 26.77,50.82 24.87,52.72 23.67,52.72 19.04,57.34 19.04,59.69 19.52,60.17 19.52,61.42 v2(19.57,61.47)
  In1.Cu w0.8: v2(19.57,61.47) 19.57,61.82 v2(19.22,62.17) 19.22,62.77 v2(19.02,62.97) v2(18.27,62.97)
  In1.Cu w1.2: v2(27.67,76.12) 27.39,76.39 25.96,76.39 25.38,75.81 25.22,75.81 24.19,74.78 24.19,74.59 23.32,74.59 19.41,70.68 19.41,69 19.22,68.81 19.22,66.73 19.17,66.68 19.17,65.85 19.22,65.81 19.22,63.17 v2(19.02,62.97)
  In2.Cu w0.3: v2(12.16,67.78) 13.54,67.78 16.58,70.82 18.68,70.82 19.38,71.52 20.81,71.52 v2(22.42,73.13)
/VBUS_SW: length 21
  Top w0.2: 78.92,48.34 78.92,49.76 78.72,49.96 78.72,52.99 76.29,55.42 71.42,55.42 v1(69.99,56.84) ; U51.4 69.69,61.82 v1(69.79,61.92)
  In2.Cu w0.2: v1(69.79,61.92) 69.79,57.04 v1(69.99,56.84)
GND: length 372.2
  Top w0.16: C6.2 47.97,76.67 v1(48.47,76.17) 47.99,75.69 C7.2 48.04,75.69 v1(48.47,75.27) 48.05,74.85 C3.2 ; J1.10 53.37,74.26 52.92,73.82 52.77,73.82 v1(52.57,74.02) ; v1(49.47,67.67) 49.61,67.52 J1.11 ; v1(60.59,71.24) 60.44,71.39 60.14,71.39 59.6,70.85 J1.1 ; R2.2 34.08,80.64 R1.2 34.17,80.55 v1(34.17,81.92) ; v1(70.02,36.42) U25.9 67.57,36.42 U25.25 66.07,35.42 U25.24 64.97,35.42 v1(64.72,35.17) ; U18.3 50.74,76.85 51.02,76.85 U18.8 50.91,76.72 50.21,77.42 v1(49.77,77.42) ; R11.2 62.12,33.67 60.66,33.67 60.32,33.33 U10.2
  Top w0.2: v1(43.73,58.56) 43.79,58.62 J9.20 ; U3.25 27.97,46.32 U3.17 ; C35.2 37.52,77.52 36.28,76.28 35.98,76.28 35.23,75.52 35.23,74.37 v1(35.48,74.12) C4.2 ; J9.5 36.29,60.79 v1(35.87,61.22) ; 31.22,78.97 31.38,79.13 31.78,79.13 32.66,80.01 v1(32.72,80.01) ; 42.27,44.67 43.05,44.67 C42.2 ; 42.27,44.67 41.67,44.67 41.57,44.77 U52.6 ; 42.27,44.67 42.07,44.87 U52.7 ; C44.2 62.67,38.77 v1(62.57,38.67) ; R22.2 22.95,55.48 23.44,54.99 24.57,54.99 ; v1(77.12,43.57) 77.33,43.78 77.33,44.98 U26.18 77.92,45.12 U26.25 79.42,46.62 79.42,49.59 v1(79.45,49.62) ; v1(47.08,63.35) 46.87,63.14 46.87,61.86 ; R29.2 24.02,51.77 v1(24.07,51.82) ; v1(46.77,72.07) 47.07,72.07 U16.3 47.54,71.6 47.82,71.6 U16.8 ; J4.17 29.82,28.39 29.82,28.77 v1(30.02,28.97) ; v2(35.89,16.92) 35.89,17.49 U31.3 ; J9.14 40.79,58.69 v1(40.82,58.67) ; 23.52,69.77 23.28,69.52 v1(23.02,69.52) ; C25.2 33.17,46.09 R31.1 ; U7.1 37.01,47.57 v1(36.77,47.57) ; v1(38.97,63.52) 38.82,63.37 U45.8 U45.3 ; v1(12.07,42.02) 11.62,42.47 J5.10 ; v1(65.12,68.87) 65.12,68.88 U49.3 ; C45.2 v1(79.82,41.47) ; v1(29.52,74.82) 29.43,74.72 J6.1 ; v1(14.38,36.38) 14.38,36.56 U32.3 ; H4.1 46.08,10.79 42.34,10.79 42.09,11.04 39.54,11.04 v1(38.92,10.42) 40.19,11.69 C16.2 ; C34.2 29.28,33.37 R32.1 ; U3.25 28.47,45.82 U3.18 ; v1(24.26,18.72) 24.27,18.71 U34.3 ; U6.3 41.17,67.54 41.49,67.22 v1(42.42,67.22) ; C20.2 17.27,38.44 R19.2 ; R3.2 59.29,58.93 U8.2 ; v1(2.42,43.67) 2.97,44.22 SW1.1 ; R16.2 37.84,20.62 C18.2 ; v1(39.57,46.52) U7.9 ; R13.1 36.22,80.79 v1(36.22,80.11) ; J8.S1 63.84,73.57 62.08,73.57 J8.A1 ; U47.3 U47.8 v1(44.52,65.24) ; H6.1 12.2,19.22 15.77,19.22 15.77,20.35 12.98,23.14 11.42,23.14 7.79,26.77 ; v1(20.67,65.77) 20.92,66.02 U41.8 21.33,66.23 21.61,66.23 U41.3 ; J10.MP 15.02,65.76 C46.2 ; v1(49.22,60.97) 48.92,60.97 48.79,60.84 J9.30 J9.29 48.29,61.29 48.62,61.62 v1(49.22,61.62) ; J5.11 v1(20.77,42.87) ; U21.3 U21.8 73.68,44.92 v1(73.67,44.91) ; J4.1 23.54,21.49 v1(22.87,20.82) ; U7.4 37.17,45.13 v1(37.17,44.57) 37.19,44.55 C50.2 ; v1(37.81,69.59) 37.56,69.59 37.07,69.1 36.81,69.1 U42.8 36.62,68.91 36.9,68.91 U42.3 ; U15.3 60.02,54.77 v1(60.52,54.27) ; U2.8 17.91,68.48 v1(18.14,68.72) 18.41,68.46 U2.9 ; v1(32.07,27.77) 31.67,27.37 31.67,26.96 J4.14 ; v1(27.97,30.17) 27.52,29.72 27.52,29.37 J4.20 ; U4.12 49.87,18.57 v1(49.92,18.62) ; U3.9 25.87,47.32 U3.25 ; U37.3 v1(9.67,47.82) ; v1(66.82,29.02) 66.42,28.62 U23.3 ; R41.1 45.49,28.27 v1(45.52,28.24) ; J2.10 72.37,50.07 72.62,50.32 v1(72.62,50.72) ; 26.92,56.67 26.92,57.07 R23.2 ; 26.92,56.67 26.17,56.67 26.12,56.62 ; 26.92,56.67 R25.2 ; U24.25 18.82,24.32 U24.24 18.31,23.78 v1(18.52,23.57) ; U24.25 17.05,26.09 U24.18 16.3,26.6 v1(16.02,26.32) 16.02,26.85 C43.2 ; U24.25 19.17,26.09 U24.9 20.39,27.39 v1(21.07,28.07) ; v1(13.17,53.02) 13.37,53.22 U33.3 ; J9.1 34.29,60.79 v1(34.17,60.92) ; 43.67,45.26 43.67,45.22 ; SW3.1 4.02,38.27 v1(4.37,37.92) ; v1(42.27,63.37) 42.17,63.27 U46.3 ; v1(59.77,52.62) U20.3 62.01,52.62 v1(62.02,52.63) ; U35.3 27.29,16.88 v1(27.26,16.92) ; 72.34,62.49 72.34,62.97 v1(71.99,63.32) ; v1(69.22,67.07) 69.21,67.06 U5.9 U5.15 67.43,66.56 U5.8 69.13,66.56 v1(69.27,66.42) ; v1(32.07,75.82) 32.37,76.12 U40.3 32.85,76.4 33.13,76.4 U40.8 33.45,76.5 v1(33.72,76.77) 33.87,76.77 34.03,76.93 U50.6 ; v1(39.57,63.97) D2.2 ; v1(33.97,25.42) 33.85,25.54 J4.11 ; v1(2.87,50.02) 3.47,50.62 SW2.1 ; v1(10.12,49.62) 10.17,49.67 J5.1 ; U22.3 v1(73.57,48.02) ; v1(75.87,52.59) 75.87,52.57 U19.3 ; v1(29.12,17.22) 29.77,17.87 J4.10 ; v1(41.25,59.17) 41.29,59.21 J9.15 ; R8.2 59.27,47.27 ; U38.3 v1(9.72,44.47)
  Top w0.25: U50.5 34.52,77.46 U50.6 ; U27.3 57.68,17.47 v1(57.67,17.46) ; U17.8 62.23,66.8 61.95,66.8 U17.3 62.04,66.71 62.4,66.71 v1(62.89,66.22) ; 22.54,46.92 21.29,46.92 20.54,47.67 J5.17 ; U28.3 v1(63.52,25.87) ; U29.3 v1(55.37,32.17)
  Top w0.3: J3.20 49.27,24.87 v1(49.92,24.22) ; J6.20 34.02,67.35 v2(34.02,67.92) ; v1(52.02,25.52) 51.57,25.97 51.57,26.12 ; J7.A1 27.75,77.34 v2(27.87,77.47) 28.7,78.3 J7.S1 ; v1(30.37,35.12) 30.12,35.37 U43.4 30.12,35.57 v1(29.67,35.12) ; J3.1 53.71,18.12 v1(54.47,17.37) ; v2(32.27,64.12) 32.17,64.22 32.17,65.62 J6.17 ; v1(60.62,21.02) 60.62,21.17 59.95,21.84 J3.10 ; v2(20.32,73.42) 20.82,73.42 21.5,74.09 J7.A12 ; J6.14 30.14,64.37 30.14,63.77 v2(30.37,63.54) ; 55.17,29.67 55.47,29.97 v1(55.57,29.97) ; v1(52.77,28.92) 52.77,28.72 53.02,28.47 ; U36.8 26.57,31.88 v1(26.58,31.87) ; v1(0.72,66.27) 1.52,67.06 J11.1 ; J5.14 v1(20.77,45.27) ; v1(21.32,50.22) 21.17,50.07 J5.20 ; 28.07,62.92 28.47,62.52 v2(29.02,62.52)
  Top w0.4: v1(35.87,61.22) 35.79,61.29 35.79,62.71 U44.8 ; v1(54.47,65.72) 54.47,65.52 54.12,65.17 ; C8.2 43.42,80.25 C5.2 44.14,80 44.42,79.72 v1(44.42,79.22) ; J1.14 51.8,65.8 51.92,65.92 51.92,66.37 v1(52.42,66.87) ; 55.91,63.34 55.91,62.78 55.67,62.54 55.67,62.29 v1(55.69,62.27) ; 29.17,58.36 28.27,59.26 v2(28.27,59.32) 28.21,59.32 27.71,59.82 C24.2 26.02,58.69 26.02,56.72 26.12,56.62 26.02,56.52 26.02,54.79 25.72,54.49 26.02,54.19 v2(26.02,53.57) 26.64,53.57 26.99,53.22 28.52,53.22 29.01,53.71 29.01,54.66 29.17,54.82 U14.2 29.17,58.36
  Top w0.5: 44.82,87.87 v1(44.77,87.92) ; 60.67,49.84 59.27,48.44 59.27,46.17 60.07,45.37 U9.2 v2(60.07,43.68) 61.71,43.68 61.97,43.42 61.97,42.57 v2(62.12,42.42) ; v2(30.42,50.12) 30.02,50.52 29.49,50.52 30.17,50.52 v2(30.42,50.77) ; v2(62.12,42.42) 62.12,41.27 61.97,41.12 v2(61.97,40.82) 61.67,40.82 C12.2 v2(61.12,39.02) C14.2 60.32,37.07 v2(60.32,37.02) v2(60.32,33.62) U10.2 60.32,31.99 60.72,31.59 v2(60.72,31.57) 60.74,31.57 62.24,30.07 v2(62.27,30.07) 62.27,30.04 C15.2 ; v2(62.12,42.42) 62.17,42.47 J2.20 ; C19.2 23.77,32.81 23.42,33.16 v2(23.42,33.42) 23.17,33.42 21.14,35.44 20.01,35.44 19.88,35.57 v2(19.67,35.57) 19.67,35.78 19.52,35.93 U12.2 ; C17.2 44.17,21.42 42.67,22.92 U11.2 39.07,22.92 37.62,21.47 C18.2 ; v2(62.12,44.72) 62.27,44.87 J2.17 ; U13.2 21.37,60.92 v2(21.07,61.22) 21.42,61.57 v2(21.07,62.02) 21.42,61.76 21.68,62.02 22.44,62.02 C22.2 ; v1(46.57,82.82) 46.47,82.92
  Top w0.6: v2(65.57,59.82) 65.04,60.34 64.02,60.34 ; v1(16.57,39.32) 16.94,39.32 C20.2 18.04,39.22 v1(19.07,39.22) 19.17,39.12 19.17,37.77 19.52,37.42 U12.2 ; 24.57,54.99 25.22,54.99 v2(25.37,54.02) 25.72,54.49 ; 64.02,60.34 64.02,61.19 63.69,61.52 v2(63.67,61.52) 63.67,61.54 C10.2 62.22,62.42 61.87,62.07 v2(61.82,62.07) 61.82,62.02 60.53,60.73 60.53,60.03 v2(60.52,60.02) 60.53,60 60.53,59.51 60.42,59.39 v2(60.42,59.37) 60.39,59.37 60.04,59.02 U8.2 ; 64.02,60.34 64.99,60.34 v2(65.57,60.92) ; J2.11 62.27,49.67 v2(62.22,49.72) 60.79,49.72 60.67,49.84 ; J2.14 62.22,47.27 v2(62.17,47.32) ; J8.S1 64.06,73.79 63.26,73.79 63.08,73.61 62.03,73.61 J8.A1 ; J7.A1 27.57,77.34 28.29,78.07 v2(28.32,78.07) 28.32,78.1 28.7,78.48 J7.S1 ; J7.S1 19.25,73.61 20.63,73.61 20.78,73.76 21.26,73.76 J7.A12 21.45,74.09 20.77,73.42 v2(20.32,73.42)
  Top w0.7: 46.37,82.92 46.37,87.67 ; 44.92,82.92 44.92,87.87
  Top w0.8: C49.2 73.19,60.32 v2(71.39,60.32) v2(70.54,60.32) 68.81,60.32 68.56,60.57 68.14,60.57 68.07,60.64 v2(67.94,60.64) 67.94,60.77 67.62,61.09 67.62,61.24 v2(67.59,61.27) 67.62,61.29 67.62,62.34 ; 55.77,77.47 55.42,77.47 54.44,78.45 J8.S1 ; C41.2 C36.2
  In2.Cu w0.2: J8.S1 64.09,73.81 62.37,73.81 61.06,75.12 59.22,75.12 56.72,77.62 55.07,77.62 54.44,78.25 J8.S1
  In2.Cu w0.3: v2(20.32,73.42) 19.45,73.42 J7.S1
  vias: v1(11.02,59.52) v1(11.67,60.47) v1(14.77,65.17) v1(15.47,66.12) v1(19.17,38.52) v1(21.07,46.97) v1(29.29,34.64) v1(29.67,48.97) v1(30.04,34.62) v1(30.82,34.64) v1(31.52,58.22) v1(31.57,56.67) v1(32.91,46.36) v1(33.37,58.27) v1(33.42,56.72) v1(36.44,42.24) v1(36.97,36.67) v1(38.92,92.17) v1(38.87,91.47) v1(38.87,90.67) v1(38.87,90.02) v1(38.87,89.37) v1(39.47,89.12) v1(40.12,89.12) v1(40.22,75.42) v1(40.22,71.92) v1(40.87,89.12) v1(41.52,89.12) v1(41.97,73.67) v1(42.19,81.22) v1(42.17,49.27) v1(42.27,89.07) v1(42.84,81.27) v1(42.97,88.97) v1(43.57,81.84) v1(43.72,75.42) v1(43.67,44.77) v1(43.77,88.92) v1(43.72,71.92) v1(43.87,48.97) v1(44.27,82.29) v1(44.32,81.12) v1(44.42,78.62) v1(44.47,81.72) v1(44.67,90.02) v1(44.77,91.87) v1(44.77,89.37) v1(44.77,88.62) v1(44.79,87.27) v1(44.79,86.47) v1(44.82,85.77) v1(44.82,84.87) v1(44.82,84.27) v1(44.82,82.92) v1(44.87,83.57) v1(44.87,82.27) v1(45.32,91.62) v1(45.52,77.67) v1(45.62,77.02) v1(45.87,91.22) v1(46.07,79.37) v1(46.22,77.77) v1(46.32,90.72) v1(46.42,90.02) v1(46.37,89.32) v1(46.42,88.52) v1(46.47,87.67) v1(46.47,86.92) v1(46.49,86.07) v1(46.47,85.24) v1(46.49,84.42) v1(46.52,83.57) v1(46.54,82.24) v1(46.87,78.82) v1(46.87,78.17) v1(46.97,36.97) v1(47.07,42.07) v1(47.19,82.39) v1(47.37,81.27) v1(49.92,58.17) v1(49.87,56.82) v1(51.57,58.22) v1(51.62,56.67) v2(15.79,39.19) v2(16.17,39.92) v2(16.47,61.37) v2(17.17,60.97) v2(17.34,74.27) v2(17.32,62.32) v2(17.52,75.02) v2(17.64,73.49) v2(17.99,75.52) v2(17.97,60.67) v2(18.27,61.82) v2(18.52,61.07) v2(19.57,34.82) v2(21.32,68.02) v2(21.97,41.52) v2(22.12,69.47) v2(22.02,62.92) v2(22.02,40.92) v2(22.77,61.52) v2(22.97,42.52) v2(23.27,38.27) v2(23.22,30.67) v2(23.32,40.47) v2(23.32,39.77) v2(23.32,39.07) v2(23.62,42.52) v2(23.92,54.07) v2(23.92,30.62) v2(24.27,42.52) v2(24.62,54.02) v2(24.67,30.62) v2(26.07,68.39) v2(26.02,66.19) v2(26.07,52.97) v2(27.17,67.47) v2(27.37,68.47) v2(27.49,80.92) v2(28.14,81.14) v2(28.27,60.17) v2(28.79,81.52) v2(28.82,39.57) v2(28.87,38.72) v2(28.87,37.97) v2(29.57,81.34) v2(29.72,51.34) v2(30.02,32.02) v2(30.13,80.59) v2(30.82,39.42) v2(30.77,38.72) v2(30.77,38.02) v2(30.72,31.62) v2(30.72,30.92) v2(31.32,32.47) v2(32.82,31.62) v2(32.82,30.92) v2(32.82,30.12) v2(36.02,20.52) v2(36.24,58.19) v2(37.37,33.27) v2(37.59,19.74) v2(37.82,31.22) v2(38.17,21.99) v2(38.22,33.32) v2(38.52,31.17) v2(39.12,33.37) v2(39.92,33.37) v2(40.02,31.17) v2(40.72,33.32) v2(40.77,31.17) v2(41.02,22.92) v2(41.14,58.14) v2(41.57,33.37) v2(42.37,31.12) v2(42.47,33.42) v2(42.62,19.79) v2(43.17,31.12) v2(43.32,33.42) v2(43.44,22.12) v2(43.57,19.77) v2(44.07,33.47) v2(44.24,19.67) v2(44.82,31.17) v2(44.92,33.47) v2(45.57,31.07) v2(45.77,33.42) v2(46.67,33.47) v2(47.07,31.07) v2(47.47,33.47) v2(47.92,31.07) v2(48.27,33.47) v2(49.12,33.42) v2(59.22,47.92) v2(59.27,46.32) v2(59.54,50.94) v2(60.27,40.27) v2(60.67,50.92) v2(61.92,50.94) v2(61.84,39.04) v2(62.12,28.14) v2(62.14,29.09) v2(62.59,40.59) v2(62.72,63.82) v2(63.17,30.62) v2(63.17,27.67) v2(63.74,63.47) v2(63.84,62.69) v2(67.97,63.42) v2(73.19,62.34) v2(74.19,60.12) v2(75.69,61.59) v2(75.72,60.79)
